# Altium PCB BW1098OBC.PcbDoc (part 2 of 3) (continued)
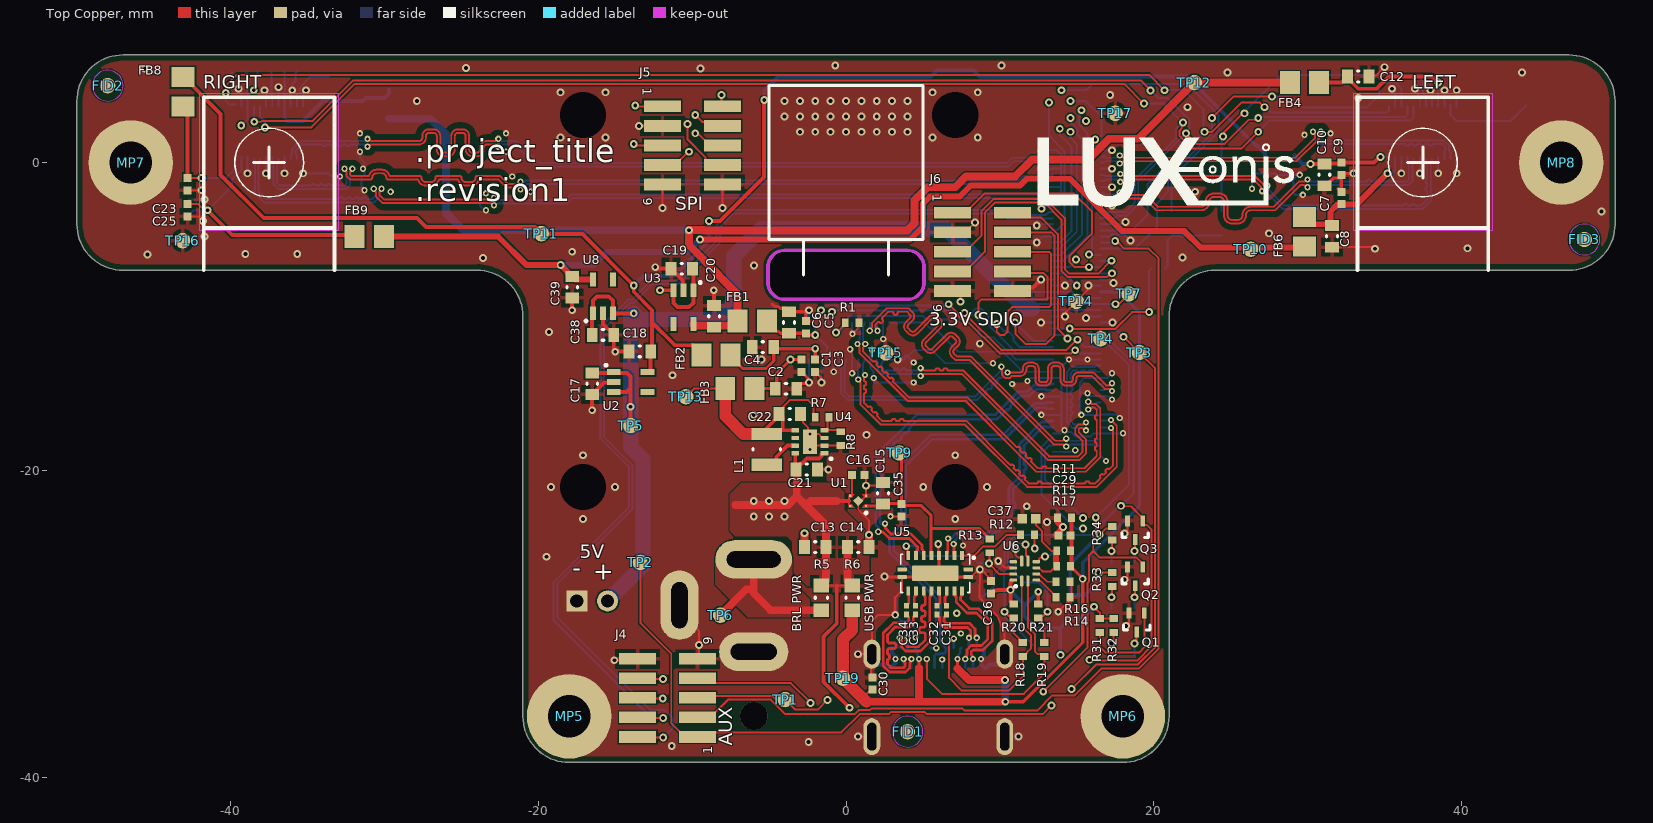
[diagram p0: Top Copper view]
## Nets (pads, with @x,y where several pads share a name; then routed paths per layer and width w, separated by ;. In a path a pad name is that pad's centre, name@x,y a point inside that pad or via, vN(x,y) a via of type N, cw(c..) or ccw(c..) an arc to the next point about the centre after c; other vN are vias at no path point) (continued)
  Bottom Layer w0.25: J10.SH4@1.68,-31.96 1.68,-32.13 2.175,-32.625 2.675,-32.625 J10.B1@2.9,-32.85 3.22,-32.53 v2(3.22,-32.272) 3.22,-32.091 3,-31.87 J10.A12@3,-31.55 ; J10.A1@9,-31.55 8.975,-31.575 8.975,-32.048 8.783,-32.24 v2(8.783,-32.272) 8.783,-32.625 9.008,-32.85 J10.B12@9.1,-32.85 9.325,-32.625 9.621,-32.625 9.825,-32.625 10.32,-32.13 J10.SH1@10.32,-31.96
  Bottom Layer w0.254: v1(3.2,-29.4) 3.2,-28.3 B1.1@3.3,-28.2
  Bottom Layer w0.508: v1(0.78,-37.32) J10.SH3@1.68,-37.32 ; v1(0.78,-31.96) J10.SH4@1.68,-31.96 ; J10.SH2@10.32,-37.32 v1(11.22,-37.32)
  other v1: -11.325,-37.925 -2.425,-37.675 7.2,-29.3 -19.475,-25.625 13.069,-23.364 11.751,-22.341 1.325,-17.7 -6,-16.4 -11.275,-13.825 8.7,-11.775 -19.3,-11.025 -5.975,-6.7 -23.6,-6.2 21.875,-6.175 -45.4,-5.975 -39.05,-5.95 -35.675,-5.95 -17.8,-5.8 40.4,-5.575 27.5,-4.6 49.125,-3.175 22.7,-1.9 -3,2 -2,2 -1,2 0,2 1,2 2,2 3,2 4,2 -4,3 -3,3 -2,3 -1,3 0,3 1,3 2,3 3,3 4,3 22.2,3.6 -27.9,4 -4,4 -3,4 -2,4 -1,4 0,4 1,4 2,4 3,4 4,4 33.3,4.2 17.175,4.4 24.8,5.85 43.95,5.85 -45.575,6.1 -9.45,6.125 -24.7,6.15 -0.7,6.3 10.1,6.3
  other v2: 7.464,-30.619 7.6,-24.9 10.8,-14.4 -29.6,-1.9 -20.5,-1.9 -21.7,-0.9 -22.1,0.7 29.8,1.8 -31.6,1.9 -22.1,1.9 31.5,1.9
  other v3: -17.1,-23.175 -19.175,-21.1 -15.025,-21.1 5.025,-21.1 9.175,-21.1 -17.1,-19.025 7.1,-19.025 -18.567,1.633 -15.633,1.633 5.633,1.633 8.567,1.633 -18.567,4.567 -15.633,4.567 5.633,4.567 8.567,4.567
  other v4: -2.35,-18.65 -2.35,-17.65
I2C1_SCL: J1.35 J2.20 | length 19.8
  Top Copper w0.127: v1(7.699,-9.788) 10.084,-12.173 14.337,-12.173 14.995,-11.514 v1(15.043,-11.514)
  Bottom Layer w0.127: J2.20@-1.2,-10.4 -1.154,-10.353 -1.154,-10.057 -0.9,-9.803 v1(-0.9,-9.7) -0.83,-9.63 6.847,-9.63 7.005,-9.788 v1(7.699,-9.788) ; v1(15.043,-11.514) 15.529,-12 J1.35@16.54,-12
I2C1_SDA: J1.33 J2.19 | length 20.7
  Top Copper w0.127: v1(6.674,-9.213) 7.282,-9.82 7.282,-9.961 7.526,-10.205 7.796,-10.205 9.99,-12.4 14.649,-12.4 14.826,-12.223 14.877,-12.223 v1(14.9,-12.2)
  Bottom Layer w0.127: J2.19@-1.6,-10.4 -1.609,-10.391 -1.609,-9.609 v1(-1.617,-9.6) -1.3,-9.282 6.604,-9.282 v1(6.674,-9.213) ; v1(14.9,-12.2) 15.003,-12.2 15.203,-12.4 J1.33@16.54,-12.4
I2C2_SCL: J1.77 J3.21 J9.21 | length 89.7
  Top Copper w0.127: v1(-38.471,2.654) -38.003,2.654 -37.952,2.705 -34.658,2.705 -32.019,5.345 19.151,5.345 v1(19.804,4.691) ; v1(22.1,1.9) 22.8,1.2 24.59,1.2 26.173,2.783 26.683,2.783 v1(26.8,2.9)
  Bottom Layer w0.127: J9.21@-38.5,3.64 -38.5,2.683 v1(-38.471,2.654) ; J1.77@16.54,-3.6 17.507,-3.6 17.663,-3.444 18.256,-3.444 19,-2.7 19,-1.2 v1(22.1,1.9) 22.1,2.003 22.317,2.221 22.317,2.773 20.89,4.2 20.296,4.2 v1(19.804,4.691) ; v1(26.8,2.9) 26.863,2.963 36.342,2.963 36.5,3.121 J3.21@36.5,3.64
I2C2_SDA: J1.79 J3.20 J9.20 | length 90.5
  Top Copper w0.127: v1(-37.779,2.288) -34.754,2.288 -31.925,5.118 18.082,5.118 v1(19.364,3.836) ; v1(21.9,2.6) 21.827,2.527 21.827,2.218 21.682,2.073 21.682,1.717 22.5,0.9 25.7,0.9 v1(26.8,2)
  Bottom Layer w0.127: J9.20@-38.1,3.64 -38.1,3.041 -37.779,2.72 v1(-37.779,2.288) ; J1.79@16.54,-3.2 16.558,-3.217 18.161,-3.217 18.773,-2.606 18.773,-1.106 21.5,1.621 21.5,2.2 v1(21.9,2.6) 20.664,3.836 v1(19.364,3.836) ; v1(26.8,2) 27.536,2.736 36.71,2.736 36.9,2.926 J3.20@36.9,3.64
I2C3_SCL: J1.78 J4.2 | length 68
  Top Copper w0.127: J4.2@-13.55,-37.34 -13.263,-37.34 -13.235,-37.368 v1(-11.886,-37.368)
  Bottom Layer w0.127: v1(-11.886,-37.368) -11.277,-36.759 -11.277,-36.11 -11.804,-35.583 -12.741,-35.583 -18.76,-29.564 -18.76,-27.381 -13.873,-22.494 -13.873,-19.706 -15.745,-17.834 -15.745,-10.807 -14.075,-9.137 -13.815,-9.137 -12.561,-7.883 -10.883,-7.883 -8.2,-5.2 -8.2,-4.2 -7.3,-3.3 10.1,-3.3 10.444,-3.644 13.077,-3.644 13.095,-3.627 13.434,-3.627 J1.78@13.46,-3.6
I2C3_SDA: J1.80 J4.4 | length 66.7
  Top Copper w0.127: J4.4@-13.55,-36.07 -13.319,-36.07 -13.274,-36.115 v1(-11.886,-36.115)
  Bottom Layer w0.127: v1(-11.886,-36.115) -12.644,-36.115 -19.021,-29.738 -19.021,-27.321 -14.1,-22.4 -14.1,-19.8 -15.972,-17.928 -15.972,-10.713 -14.169,-8.91 -13.91,-8.91 -12.656,-7.656 -10.977,-7.656 -8.427,-5.106 -8.427,-4.106 -7.394,-3.073 10.238,-3.073 10.582,-3.417 12.971,-3.417 13.042,-3.347 13.053,-3.347 13.2,-3.2 J1.80@13.46,-3.2
MIPI_RX2_C_N: J1.95 J3.11 | length 25.5
  Top Copper w0.127: v2(17.8,-0.053) 17.875,-0.053 18.014,0.086 29.286,0.086 30.729,1.529 30.729,1.811 30.868,1.95 v2(30.868,2)
  Bottom Layer w0.127: J1.95@16.54,0 16.8,0 16.886,0.086 17.586,0.086 17.725,-0.053 v2(17.8,-0.053) ; v2(30.868,2) 30.868,1.925 30.729,1.786 30.729,1.571 30.871,1.429 38.871,1.429 39.214,1.086 39.214,0.791 39.3,0.705 J3.11@39.3,0.225
MIPI_RX2_C_P: J1.97 J3.10 | length 25.6
  Top Copper w0.127: v2(17.8,0.453) 17.875,0.453 18.014,0.314 29.191,0.314 30.5,1.623 30.5,1.811 v2@30.361,1.95
  Bottom Layer w0.127: J1.97@16.54,0.4 16.8,0.4 16.886,0.314 17.586,0.314 17.725,0.453 v2(17.8,0.453) ; v2(30.361,2) 30.361,1.925 30.5,1.786 30.5,1.477 30.777,1.2 35.9,1.2 36.364,1.2 36.364,1.189 ccw(c36.453,1.189) 36.453,1.101 36.529,1.101 ccw(c36.529,1.189) 36.618,1.189 36.618,1.2 36.872,1.2 36.872,1.189 ccw(c36.961,1.189) 36.961,1.101 37.037,1.101 ccw(c37.037,1.189) 37.126,1.189 37.126,1.2 37.38,1.2 37.38,1.189 ccw(c37.469,1.189) 37.469,1.101 37.545,1.101 ccw(c37.545,1.189) 37.634,1.189 37.634,1.2 37.888,1.2 37.888,1.189 ccw(c37.977,1.189) 37.977,1.101 38.053,1.101 ccw(c38.053,1.189) 38.142,1.189 38.142,1.2 38.396,1.2 38.65,1.2 38.777,1.2 38.986,0.991 38.986,0.791 38.9,0.705 J3.10@38.9,0.225
MIPI_RX2_D0_N: J1.89 J3.8 | length 25.5
  Top Copper w0.127: v2(17.834,-1.253) 17.91,-1.253 18.049,-1.114 26.495,-1.114 26.989,-1.608 26.989,-1.805 v2(27.042,-1.858)
  Bottom Layer w0.127: J1.89@16.54,-1.2 16.8,-1.2 16.886,-1.114 17.62,-1.114 17.759,-1.253 v2(17.834,-1.253) ; v2(27.042,-1.858) 27.095,-1.911 27.292,-1.911 28.409,-3.029 37.471,-3.029 38.014,-2.486 38.014,-0.071 38.1,0.015 J3.8@38.1,0.225
MIPI_RX2_D0_P: J1.91 J3.7 | length 25.6
  Top Copper w0.127: v2(17.834,-0.747) 17.91,-0.747 18.049,-0.886 26.589,-0.886 27.15,-1.447 27.347,-1.447 v2(27.4,-1.5)
  Bottom Layer w0.127: J1.91@16.54,-0.8 16.8,-0.8 16.886,-0.886 17.62,-0.886 17.759,-0.747 v2(17.834,-0.747) ; v2(27.4,-1.5) 27.453,-1.553 27.453,-1.75 28.504,-2.8 35.9,-2.8 35.98,-2.8 36.234,-2.8 36.234,-2.789 cw(c36.323,-2.789) 36.323,-2.701 36.399,-2.701 cw(c36.399,-2.789) 36.488,-2.789 36.488,-2.8 36.742,-2.8 36.742,-2.789 cw(c36.831,-2.789) 36.831,-2.701 36.907,-2.701 cw(c36.907,-2.789) 36.996,-2.789 36.996,-2.8 37.25,-2.8 37.377,-2.8 37.786,-2.391 37.786,-2.351 37.786,-2.097 37.786,-1.843 37.775,-1.843 cw(c37.775,-1.754) 37.686,-1.754 37.686,-1.678 cw(c37.775,-1.678) 37.775,-1.589 37.786,-1.589 37.786,-1.335 37.775,-1.335 cw(c37.775,-1.246) 37.686,-1.246 37.686,-1.17 cw(c37.775,-1.17) 37.775,-1.081 37.786,-1.081 37.786,-0.827 37.786,-0.7 37.786,-0.071 37.7,0.015 J3.7@37.7,0.225
MIPI_RX2_D1_N: J1.83 J3.5 | length 25.5
  Top Copper w0.127: v2(17.8,-2.468) 17.853,-2.414 18.115,-2.414 18.2,-2.329 19.405,-2.329 20.177,-3.1 23.079,-3.1 ccw(c23.079,-2.568) 23.611,-2.568 23.611,-2.54 cw(c23.915,-2.54) 23.915,-2.236 24.273,-2.236 cw(c24.273,-2.54) 24.576,-2.54 24.576,-3.431 ccw(c25.109,-3.431) 25.109,-3.964 25.467,-3.964 ccw(c25.467,-3.431) 25.999,-3.431 25.999,-3.404 cw(c26.302,-3.404) 26.302,-3.1 27.9,-3.1 29.533,-1.467 29.786,-1.467 29.925,-1.606 v2(30,-1.606)
  Bottom Layer w0.127: J1.83@16.54,-2.4 16.8,-2.4 16.886,-2.314 17.572,-2.314 17.725,-2.468 v2(17.8,-2.468) ; v2(30,-1.606) 30.075,-1.606 30.214,-1.467 36.556,-1.467 36.814,-1.209 36.814,-0.071 36.9,0.015 J3.5@36.9,0.225
MIPI_RX2_D1_P: J1.85 J3.4 | length 25.8
  Top Copper w0.127: v2(17.8,-1.961) 17.853,-2.015 18.115,-2.015 18.2,-2.1 19.5,-2.1 20.271,-2.871 23.079,-2.871 ccw(c23.079,-2.568) 23.383,-2.568 23.383,-2.54 cw(c23.915,-2.54) 23.915,-2.008 24.273,-2.008 cw(c24.273,-2.54) 24.805,-2.54 24.805,-3.431 ccw(c25.109,-3.431) 25.109,-3.735 25.467,-3.735 ccw(c25.467,-3.431) 25.77,-3.431 25.77,-3.404 cw(c26.302,-3.404) 26.302,-2.871 27.805,-2.871 29.438,-1.239 29.786,-1.239 29.925,-1.1 v2(30,-1.1)
  Bottom Layer w0.127: J1.85@16.54,-2 16.8,-2 16.886,-2.086 17.6,-2.086 17.725,-1.961 v2(17.8,-1.961) ; v2(30,-1.1) 30.075,-1.1 30.214,-1.239 31.3,-1.239 31.419,-1.239 ccw(c31.419,-1.201) 31.457,-1.201 cw(c31.546,-1.201) 31.546,-1.112 31.622,-1.112 cw(c31.622,-1.201) 31.711,-1.201 ccw(c31.749,-1.201) 31.749,-1.239 31.927,-1.239 ccw(c31.927,-1.201) 31.965,-1.201 cw(c32.054,-1.201) 32.054,-1.112 32.13,-1.112 cw(c32.13,-1.201) 32.219,-1.201 ccw(c32.257,-1.201) 32.257,-1.239 32.473,-1.239 32.6,-1.239 33.6,-1.239 33.603,-1.239 33.819,-1.239 ccw(c33.819,-1.201) 33.857,-1.201 cw(c33.946,-1.201) 33.946,-1.112 34.022,-1.112 cw(c34.022,-1.201) 34.111,-1.201 ccw(c34.149,-1.201) 34.149,-1.239 34.327,-1.239 ccw(c34.327,-1.201) 34.365,-1.201 cw(c34.454,-1.201) 34.454,-1.112 34.53,-1.112 cw(c34.53,-1.201) 34.619,-1.201 ccw(c34.657,-1.201) 34.657,-1.239 34.873,-1.239 35,-1.239 36.461,-1.239 36.586,-1.114 36.586,-0.071 36.5,0.015 J3.4@36.5,0.225 J3.4@36.5,0.36
MIPI_RX3_C_N: J1.96 J9.11 | length 56.2
  Top Copper w0.127: v2(-31.1,1.035) -31.025,1.035 -30.886,1.173 -27.758,1.173 ccw(c-27.758,1.617) -27.315,1.617 -27.315,1.721 cw(c-27.1,1.721) -27.1,1.935 -26.818,1.935 cw(c-26.818,1.721) -26.604,1.721 -26.604,0.855 ccw(c-26.16,0.855) -26.16,0.411 -25.878,0.411 ccw(c-25.878,0.855) -25.435,0.855 -25.435,1.721 cw(c-25.221,1.721) -25.221,1.935 -24.939,1.935 cw(c-24.939,1.721) -24.724,1.721 -24.724,0.855 ccw(c-24.281,0.855) -24.281,0.411 -23.999,0.411 ccw(c-23.999,0.855) -23.556,0.855 -23.556,0.959 cw(c-23.341,0.959) -23.341,1.173 -22.814,1.173 -22.675,1.035 v2(-22.6,1.035)
  Bottom Layer w0.127: J9.11@-35.7,0.225 -35.7,0.475 -35.786,0.561 -35.786,0.771 -35.383,1.173 -34.3,1.173 -34.005,1.173 -34.005,1.163 ccw(c-33.916,1.163) -33.916,1.074 -33.84,1.074 ccw(c-33.84,1.163) -33.751,1.163 -33.751,1.173 -33.497,1.173 -33.497,1.163 ccw(c-33.408,1.163) -33.408,1.074 -33.332,1.074 ccw(c-33.332,1.163) -33.243,1.163 -33.243,1.173 -32.989,1.173 -32.989,1.163 ccw(c-32.9,1.163) -32.9,1.074 -32.824,1.074 ccw(c-32.824,1.163) -32.735,1.163 -32.735,1.173 -32.481,1.173 -32.481,1.163 ccw(c-32.392,1.163) -32.392,1.074 -32.316,1.074 ccw(c-32.316,1.163) -32.227,1.163 -32.227,1.173 -32.1,1.173 -31.314,1.173 -31.175,1.035 v2(-31.1,1.035) ; v2(-22.6,1.035) -22.525,1.035 -22.386,1.173 -21.493,1.173 -20.075,-0.245 10.579,-0.245 10.909,0.086 13.114,0.086 13.2,0 J1.96@13.46,0
MIPI_RX3_C_P: J1.98 J9.10 | length 56
  Top Copper w0.127: v2(-31.1,1.541) -31.025,1.541 -30.886,1.402 -27.758,1.402 ccw(c-27.758,1.617) -27.543,1.617 -27.543,1.721 cw(c-27.1,1.721) -27.1,2.164 -26.818,2.164 cw(c-26.818,1.721) -26.375,1.721 -26.375,0.855 ccw(c-26.16,0.855) -26.16,0.64 -25.878,0.64 ccw(c-25.878,0.855) -25.664,0.855 -25.664,1.721 cw(c-25.221,1.721) -25.221,2.164 -24.939,2.164 cw(c-24.939,1.721) -24.495,1.721 -24.495,0.855 ccw(c-24.281,0.855) -24.281,0.64 -23.999,0.64 ccw(c-23.999,0.855) -23.784,0.855 -23.784,0.959 cw(c-23.341,0.959) -23.341,1.402 -22.814,1.402 -22.675,1.541 v2(-22.6,1.541)
  Bottom Layer w0.123: J9.10@-36.1,0.225 J9.10@-36.1,0.475
  Bottom Layer w0.127: J9.10@-36.1,0.475 -36.014,0.561 -36.014,0.865 -35.477,1.402 -31.314,1.402 -31.175,1.541 v2(-31.1,1.541) ; v2(-22.6,1.541) -22.525,1.541 -22.386,1.402 -21.399,1.402 -19.98,-0.016 10.484,-0.016 10.814,0.314 13.114,0.314 13.2,0.4 J1.98@13.46,0.4
MIPI_RX3_D0_N: J1.90 J9.8 | length 56.1
  Top Copper w0.127: v2(-32.6,-0.4) -32.6,-0.475 -32.461,-0.614 -32.461,-0.888 -32.253,-1.097 -30.915,-1.097 ccw(c-30.915,-0.982) -30.8,-0.982 ; -30.8,-0.98 cw(c-30.514,-0.98) -30.514,-0.694 -30.172,-0.694 cw(c-30.172,-0.98) -29.886,-0.98 ccw(c-29.772,-0.982) -29.772,-1.097 -27.817,-1.097 ccw(c-27.314,-0.989) -27.314,-1.503 -26.972,-1.503 ccw(c-26.972,-0.989) -26.469,-1.097 -25.217,-1.097 ccw(c-24.714,-0.989) -24.714,-1.503 -24.372,-1.503 ccw(c-24.372,-0.989) -23.869,-1.097 -22.603,-1.097 -22.085,-1.615 -21.378,-1.615 -21.239,-1.754 v2(-21.164,-1.754)
  Bottom Layer w0.127: J9.8@-36.9,0.225 -36.9,0.015 -36.986,-0.071 -36.986,-1.314 -36.8,-1.5 -34.9,-1.5 -34.759,-1.5 -34.759,-1.487 cw(c-34.67,-1.487) -34.67,-1.398 -34.594,-1.398 cw(c-34.594,-1.487) -34.505,-1.487 -34.505,-1.5 -34.251,-1.5 -34.251,-1.487 cw(c-34.162,-1.487) -34.162,-1.398 -34.086,-1.398 cw(c-34.086,-1.487) -33.997,-1.487 -33.997,-1.5 -33.743,-1.5 -33.743,-1.487 cw(c-33.654,-1.487) -33.654,-1.398 -33.578,-1.398 cw(c-33.578,-1.487) -33.489,-1.487 -33.489,-1.5 -33.235,-1.5 -33.235,-1.487 cw(c-33.146,-1.487) -33.146,-1.398 -33.07,-1.398 cw(c-33.07,-1.487) -32.981,-1.487 -32.981,-1.5 -32.727,-1.5 -32.6,-1.5 -32.461,-1.361 -32.461,-0.614 -32.6,-0.475 v2(-32.6,-0.4) ; v2(-21.164,-1.754) -21.024,-1.614 -21.012,-1.614 -20.966,-1.567 -20.903,-1.567 -20.722,-1.387 11.349,-1.387 11.621,-1.114 13.114,-1.114 13.2,-1.2 J1.90@13.46,-1.2
MIPI_RX3_D0_P: J1.92 J9.7 | length 56.2
  Top Copper w0.127: v2(-32.094,-0.4) -32.094,-0.475 -32.232,-0.614 -32.232,-0.794 -32.158,-0.868 -31.017,-0.868 cw(c-30.514,-0.98) -30.514,-0.465 -30.172,-0.465 cw(c-30.172,-0.98) -29.669,-0.868 -27.714,-0.868 cw(c-27.714,-0.982) -27.6,-0.982 ; -27.6,-0.989 ccw(c-27.314,-0.989) -27.314,-1.274 -26.972,-1.274 ccw(c-26.972,-0.989) -26.686,-0.989 ; -26.686,-0.986 cw(c-26.571,-0.982) -26.571,-0.868 -25.114,-0.868 cw(c-25.114,-0.982) -25,-0.982 ; -25,-0.989 ccw(c-24.714,-0.989) -24.714,-1.274 -24.372,-1.274 ccw(c-24.372,-0.989) -24.086,-0.989 ; -24.086,-0.986 cw(c-23.971,-0.982) -23.971,-0.868 -22.509,-0.868 -21.99,-1.386 -21.378,-1.386 -21.239,-1.247 v2(-21.164,-1.247)
  Bottom Layer w0.127: J9.7@-37.3,0.36 J9.7@-37.3,0.225 -37.3,0.015 -37.214,-0.071 -37.214,-1.409 -36.895,-1.729 -32.505,-1.729 -32.232,-1.456 -32.232,-0.614 -32.094,-0.475 v2(-32.094,-0.4) ; v2(-21.164,-1.247) -21.089,-1.247 -20.997,-1.339 -20.816,-1.158 11.254,-1.158 11.527,-0.886 13.114,-0.886 13.2,-0.8 J1.92@13.46,-0.8
MIPI_RX3_D1_N: J1.84 J9.5 | length 56.1
  Top Copper w0.127: v2(-30.7,-1.7) -30.7,-1.775 -30.561,-1.914 -30.561,-2.188 -30.112,-2.637 -23.093,-2.637 -22.954,-2.776 v2(-22.879,-2.776)
  Bottom Layer w0.127: J9.5@-38.1,0.225 -38.1,0.015 -38.186,-0.071 -38.186,-0.513 -38.186,-1.914 -37.729,-2.371 -33,-2.371 -32.954,-2.371 -32.954,-2.359 cw(c-32.865,-2.359) -32.865,-2.27 -32.789,-2.27 cw(c-32.789,-2.359) -32.7,-2.359 -32.7,-2.371 -32.446,-2.371 -32.446,-2.359 cw(c-32.357,-2.359) -32.357,-2.27 -32.281,-2.27 cw(c-32.281,-2.359) -32.192,-2.359 -32.192,-2.371 -31.938,-2.371 -31.938,-2.359 cw(c-31.849,-2.359) -31.849,-2.27 -31.773,-2.27 cw(c-31.773,-2.359) -31.684,-2.359 -31.684,-2.371 -31.43,-2.371 -31.43,-2.359 cw(c-31.341,-2.359) -31.341,-2.27 -31.265,-2.27 cw(c-31.265,-2.359) -31.176,-2.359 -31.176,-2.371 -30.922,-2.371 -30.795,-2.371 -30.561,-2.138 -30.561,-1.914 -30.7,-1.775 v2(-30.7,-1.7) ; v2(-22.879,-2.776) -22.804,-2.776 -22.696,-2.669 -18.145,-2.669 -17.791,-2.314 13.114,-2.314 13.2,-2.4 J1.84@13.46,-2.4
MIPI_RX3_D1_P: J1.86 J9.4 | length 56
  Top Copper w0.127: v2(-30.194,-1.7) -30.194,-1.775 -30.333,-1.914 -30.333,-2.094 -30.018,-2.409 -23.093,-2.409 -22.954,-2.27 v2(-22.879,-2.27)
  Bottom Layer w0.127: J9.4@-38.5,0.225 -38.5,0.015 -38.414,-0.071 -38.414,-0.608 -38.414,-2.009 -37.823,-2.6 -30.7,-2.6 -30.333,-2.233 -30.333,-1.914 -30.194,-1.775 v2(-30.194,-1.7) ; v2(-22.879,-2.27) -22.804,-2.27 -22.633,-2.44 -18.24,-2.44 -17.886,-2.086 13.114,-2.086 13.2,-2 J1.86@13.46,-2
MIPI_RX4_C_N: J1.3 J2.28 | length 26.5
  Top Copper w0.127: v2(2.053,-10.934) 2.053,-10.858 1.914,-10.719 1.914,-10.54 2.077,-10.377 cw(c2.126,-10.426) 2.174,-10.377 2.201,-10.404 ccw(c2.264,-10.341) 2.327,-10.404 2.381,-10.35 ccw(c2.318,-10.288) 2.381,-10.225 2.368,-10.212 cw(c2.431,-10.149) 2.368,-10.086 2.485,-9.969 2.664,-9.79 2.754,-9.7 2.834,-9.7 2.999,-9.7 cw(c2.999,-9.789) 3.088,-9.789 3.088,-9.807 ccw(c3.177,-9.807) 3.177,-9.896 3.253,-9.896 ccw(c3.253,-9.807) 3.342,-9.807 3.342,-9.789 cw(c3.431,-9.789) 3.431,-9.7 3.596,-9.7 3.85,-9.7 3.977,-9.7 4.155,-9.878 cw(c4.035,-9.999) 4.205,-9.999 cw(c4.035,-9.999) 4.155,-10.119 3.892,-10.382 ccw(c4.174,-10.664) 3.892,-10.946 4.065,-11.119 ccw(c4.347,-10.837) 4.629,-11.119 5.557,-10.19 cw(c5.677,-10.311) 5.798,-10.19 5.97,-10.363 cw(c5.85,-10.483) 6.02,-10.483 cw(c5.85,-10.483) 5.97,-10.603 5.042,-11.532 ccw(c5.324,-11.814) 5.042,-12.096 5.214,-12.268 ccw(c5.496,-11.986) 5.778,-12.268 6.706,-11.34 cw(c6.827,-11.46) 6.947,-11.34 7.119,-11.512 cw(c6.999,-11.632) 7.169,-11.632 cw(c6.999,-11.632) 7.119,-11.753 6.856,-12.016 ccw(c7.138,-12.298) 6.856,-12.58 7.105,-12.829 8.029,-12.829 13.514,-18.314 14.106,-18.314 14.244,-18.453 v2(14.32,-18.453)
  Bottom Layer w0.127: J2.28@2,-10.4 2.027,-10.427 2.027,-10.907 v2(2.053,-10.934) ; v2(14.32,-18.453) 14.395,-18.453 14.534,-18.314 16.194,-18.314 16.28,-18.4 J1.3@16.54,-18.4
MIPI_RX4_C_P: J1.5 J2.27 | length 26.4
  Top Copper w0.127: v2(1.547,-10.934) 1.547,-10.858 1.686,-10.719 1.686,-10.445 2.659,-9.471 4.071,-9.471 4.317,-9.717 cw(c4.035,-9.999) 4.434,-9.999 cw(c4.035,-9.999) 4.317,-10.281 4.054,-10.544 ccw(c4.174,-10.664) 4.054,-10.784 4.226,-10.957 ccw(c4.347,-10.837) 4.467,-10.957 5.395,-10.029 cw(c5.677,-10.311) 5.959,-10.029 6.132,-10.201 cw(c5.85,-10.483) 6.248,-10.483 cw(c5.85,-10.483) 6.132,-10.765 5.203,-11.693 ccw(c5.324,-11.814) 5.203,-11.934 5.376,-12.106 ccw(c5.496,-11.986) 5.616,-12.106 6.545,-11.178 cw(c6.827,-11.46) 7.109,-11.178 7.281,-11.35 cw(c6.999,-11.632) 7.398,-11.632 cw(c6.999,-11.632) 7.281,-11.914 7.018,-12.177 ccw(c7.138,-12.298) 7.018,-12.418 7.2,-12.6 8.123,-12.6 13.609,-18.086 14.106,-18.086 14.244,-17.947 v2(14.32,-17.947)
  Bottom Layer w0.127: v2(1.547,-10.934) 1.573,-10.907 1.573,-10.427 J2.27@1.6,-10.4 ; v2(14.32,-17.947) 14.395,-17.947 14.534,-18.086 16.194,-18.086 16.28,-18 J1.5@16.54,-18
MIPI_RX4_D0_N: J1.9 J2.5 | length 26.9
  Top Copper w0.127: v2(1.233,-13.817) 1.182,-13.868 1.182,-14.1 1.182,-14.189 ccw(c1.221,-14.189) 1.221,-14.227 cw(c1.221,-14.316) 1.309,-14.316 1.309,-14.392 cw(c1.221,-14.392) 1.221,-14.481 ccw(c1.221,-14.519) 1.182,-14.519 1.182,-14.697 ccw(c1.221,-14.697) 1.221,-14.735 cw(c1.221,-14.824) 1.309,-14.824 1.309,-14.9 cw(c1.221,-14.9) 1.221,-14.989 ccw(c1.221,-15.027) 1.182,-15.027 1.182,-15.243 1.182,-15.497 1.182,-15.636 1.272,-15.726 1.425,-15.878 ccw(c1.452,-15.851) 1.479,-15.878 cw(c1.542,-15.941) 1.605,-15.878 1.658,-15.932 cw(c1.596,-15.995) 1.658,-16.058 ccw(c1.685,-16.085) 1.658,-16.112 1.784,-16.238 ccw(c1.811,-16.211) 1.838,-16.238 cw(c1.901,-16.3) 1.964,-16.238 2.018,-16.291 cw(c1.955,-16.354) 2.018,-16.417 ccw(c2.045,-16.444) 2.018,-16.471 2.17,-16.624 2.347,-16.8 2.474,-16.8 2.728,-16.8 2.943,-16.8 ccw(c2.943,-16.762) 2.982,-16.762 cw(c3.07,-16.762) 3.07,-16.673 3.147,-16.673 cw(c3.147,-16.762) 3.236,-16.762 ccw(c3.274,-16.762) 3.274,-16.8 3.451,-16.8 ccw(c3.451,-16.762) 3.49,-16.762 cw(c3.578,-16.762) 3.578,-16.673 3.655,-16.673 cw(c3.655,-16.762) 3.744,-16.762 ccw(c3.782,-16.762) 3.782,-16.8 3.9,-16.8 7.823,-16.8 10.562,-19.538 10.68,-19.656 ccw(c10.707,-19.629) 10.733,-19.656 cw(c10.796,-19.719) 10.859,-19.656 10.913,-19.71 cw(c10.85,-19.773) 10.913,-19.836 ccw(c10.94,-19.863) 10.913,-19.89 11.039,-20.016 ccw(c11.066,-19.989) 11.093,-20.016 cw(c11.156,-20.078) 11.218,-20.016 11.272,-20.069 cw(c11.209,-20.132) 11.272,-20.195 ccw(c11.299,-20.222) 11.272,-20.249 11.398,-20.375 ccw(c11.425,-20.348) 11.452,-20.375 cw(c11.515,-20.438) 11.578,-20.375 11.632,-20.429 cw(c11.569,-20.491) 11.632,-20.554 ccw(c11.658,-20.581) 11.632,-20.608 11.784,-20.761 11.874,-20.851 11.957,-20.851 12.211,-20.851 12.427,-20.851 ccw(c12.427,-20.813) 12.465,-20.813 cw(c12.554,-20.813) 12.554,-20.724 12.63,-20.724 cw(c12.63,-20.813) 12.719,-20.813 ccw(c12.757,-20.813) 12.757,-20.851 12.973,-20.851 13.1,-20.851 15.3,-20.851 15.312,-20.851 15.528,-20.851 ccw(c15.528,-20.813) 15.566,-20.813 cw(c15.655,-20.813) 15.655,-20.724 15.731,-20.724 cw(c15.731,-20.813) 15.82,-20.813 ccw(c15.858,-20.813) 15.858,-20.851 16.074,-20.851 16.201,-20.851 16.204,-20.848 16.384,-20.669 16.536,-20.516 ccw(c16.509,-20.489) 16.536,-20.462 cw(c16.599,-20.399) 16.536,-20.336 16.59,-20.282 cw(c16.653,-20.345) 16.716,-20.282 ccw(c16.743,-20.255) 16.77,-20.282 16.895,-20.157 ccw(c16.869,-20.13) 16.895,-20.103 cw(c16.958,-20.04) 16.895,-19.977 16.949,-19.923 cw(c17.012,-19.986) 17.075,-19.923 ccw(c17.102,-19.896) 17.129,-19.923 17.282,-19.77 17.371,-19.681 17.371,-19.635 17.371,-19.381 17.371,-19.127 17.371,-19 17.371,-17.398 v2(17.223,-17.25)
  Bottom Layer w0.127: J2.5@1.2,-12.8 1.2,-12.94 1.114,-13.026 1.114,-13.698 v2(1.233,-13.817) ; J1.9@16.54,-17.2 16.565,-17.225 17.198,-17.225 v2(17.223,-17.25)